# Altium PCB HSADDAModule.PcbDoc (part 1 of 5) (continued)
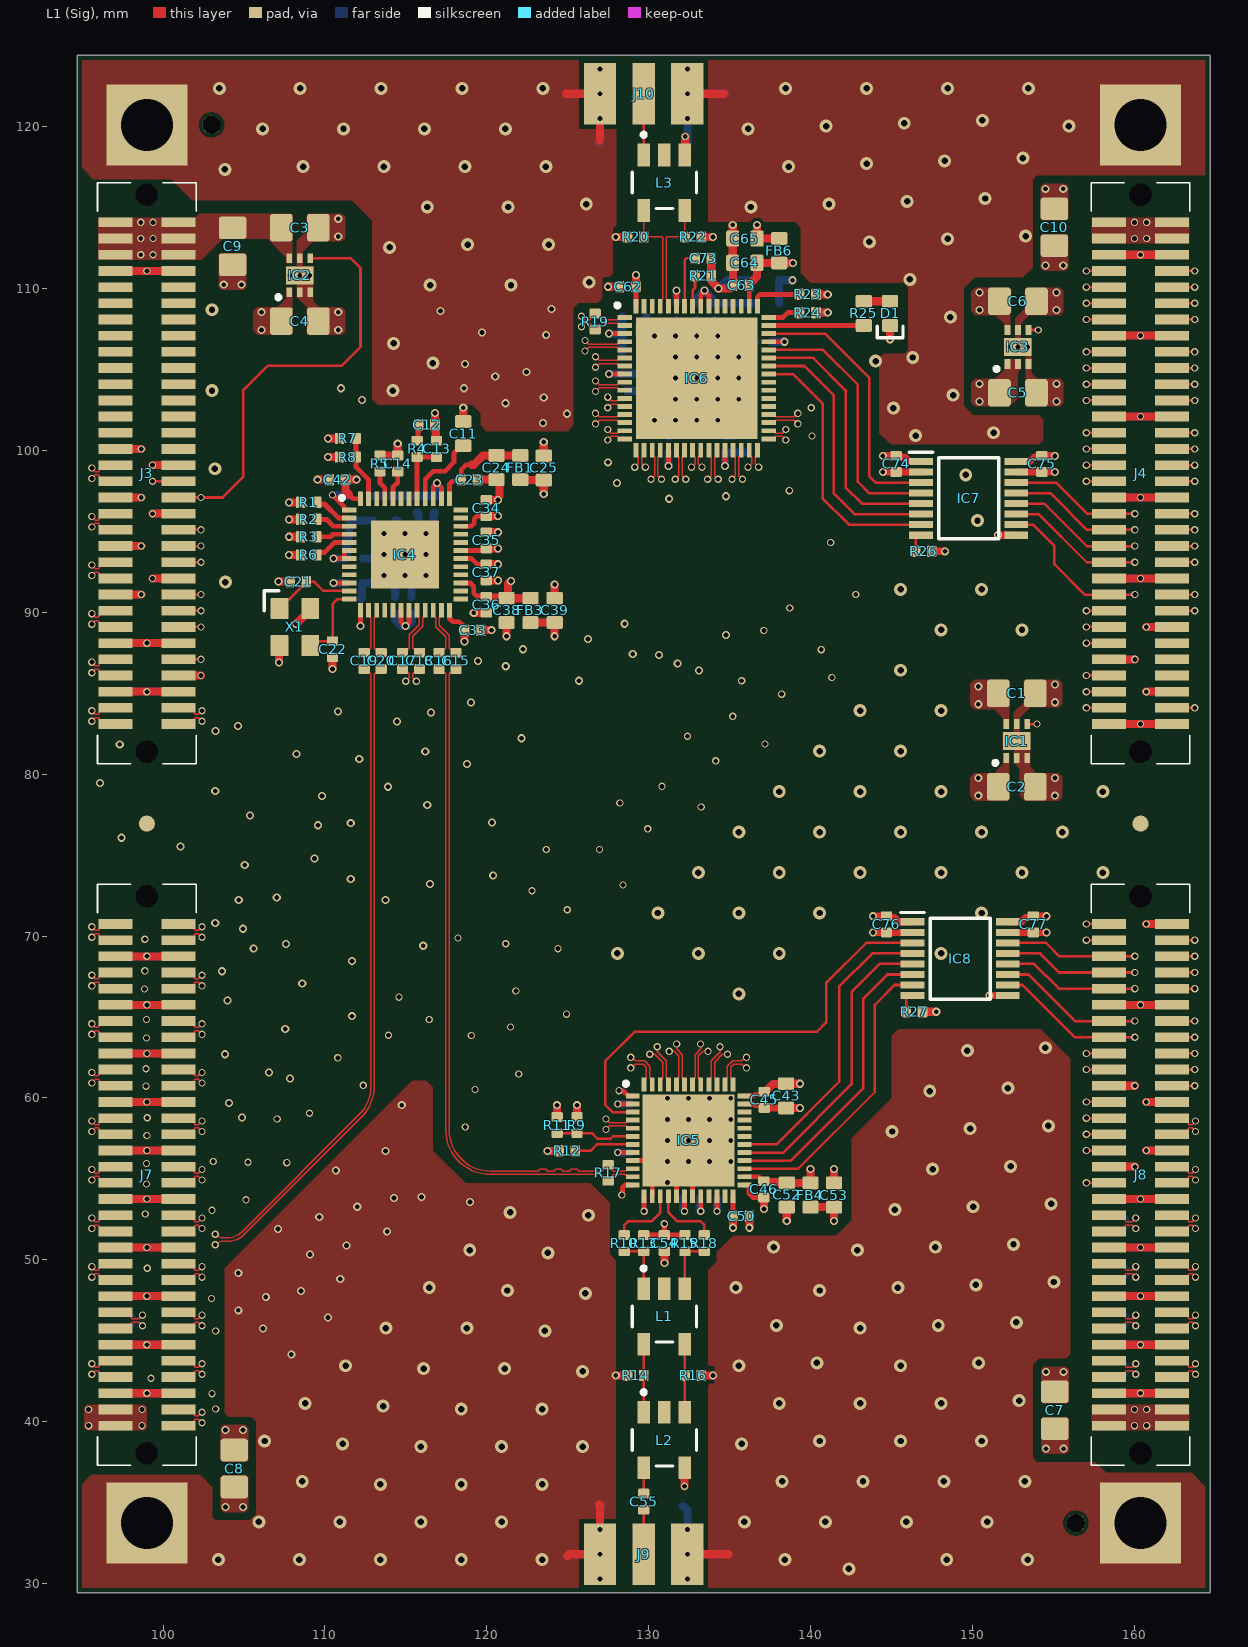
[diagram p0: L1 (Sig) view]
## Classes and differential pairs (continued)
differential pair HS_ADC_CLK: +HS_ADC_CLK_P -HS_ADC_CLK_N
differential pair HS_ADC_CLK_C: +HS_DAC_CLK_C_P -HS_DAC_CLK_C_N

## Components (designator, comment, footprint, x,y, rotation, side; value= is the part's Value field where it differs from the comment)
C1 "47u" CAP_0805 152.75,85 r180 top
C2 "47u" CAP_0805 152.75,79.225 r180 top
C3 "47u" CAP_0805 108.45,113.775 r180 top
C4 "47u" CAP_0805 108.45,108 r180 top
C5 "47u" CAP_0805 152.825,103.575 r180 top
C6 "47u" CAP_0805 152.825,109.225 r180 top
C7 "47u" CAP_0805 155.1,40.7 r270 top
C8 "47u" CAP_0805 104.4,37.1 r90 top
C9 "47u" CAP_0805 104.3,112.625 r90 top
C10 "47u" CAP_0805 155.075,113.8 r90 top
C11 "10u" CAP_0603 118.55,101.05 r90 top
C12 "22n" CAP_0402 116.3,101.6 r180 top
C13 "100p" CAP_0402 116.9,100.1 r270 top
C14 "100n" CAP_0402 114.5,99.2 r270 top
C15 "100n" CAP_0402 118.1,87 r90 top
C16 "100n" CAP_0402 117.05,87 r90 top
C17 "100n" CAP_0402 114.8,87 r90 top
C18 "100n" CAP_0402 115.85,87 r90 top
C19 "100n" CAP_0402 112.425,87 r90 top
C20 "100n" CAP_0402 113.475,87 r90 top
C21 "10p" CAP_0402 108.35,91.9 r180 top
C22 "10p" CAP_0402 110.475,87.725 r270 top
C23 "100n" CAP_0402 118.925,98.2 r0 top
C24 "10u" CAP_0603 120.6,98.95 r90 top
C25 "10u" CAP_0603 123.525,98.925 r270 top
C26 "100n" CAP_0402 115.675,96.675 r270 bottom
C27 "100n" CAP_0402 116.8,96.675 r270 bottom
C28 "10u" CAP_0603 114.35,96.425 r90 bottom
C29 "10u" CAP_0603 111.5,96.425 r270 bottom
C30 "100n" CAP_0402 112.2,90.325 r90 bottom
C31 "100n" CAP_0402 114.3,90.45 r90 bottom
C32 "100n" CAP_0402 115.4,90.45 r90 bottom
C33 "100n" CAP_0402 119.125,88.9 r0 top
C34 "100n" CAP_0402 119.975,96.45 r90 top
C35 "100n" CAP_0402 119.975,94.45 r90 top
C36 "100n" CAP_0402 119.975,90.475 r270 top
C37 "100n" CAP_0402 119.975,92.475 r270 top
C38 "10u" CAP_0603 121.225,90.125 r90 top
C39 "10u" CAP_0603 124.2,90.125 r270 top
C40 "100n" CAP_0402 111.85,91.825 r0 bottom
C41 "100n" CAP_0402 111.85,93.325 r0 bottom
C42 "100n" CAP_0402 110.775,98.2 r180 top
C43 "10u" CAP_0603 138.5,60.125 r270 top
C44 "100n" CAP_0402 129.4,59.625 r0 bottom
C45 "100n" CAP_0402 137.15,59.875 r90 top
C46 "100n" CAP_0402 137.125,54.35 r270 top
C47 "100n" CAP_0402 133.15,54.3 r90 bottom
C48 "100n" CAP_0402 132.125,54.3 r90 bottom
C49 "100n" CAP_0402 134.225,54.3 r90 bottom
C50 "100n" CAP_0402 135.725,52.7 r0 top
C51 "100n" CAP_0402 129.4,56.625 r0 bottom
C52 "10u" CAP_0603 138.541,54.003 r90 top
C53 "10u" CAP_0603 141.458,53.997 r270 top
C54 "100n" CAP_0402 130.975,51.025 r270 top
C55 "100n" CAP_0402 129.7,35.05 r270 top
C56 "10u" CAP_0603 137.3,110.525 r0 bottom
C57 "10u" CAP_0603 135.2,108.325 r90 bottom
C58 "100n" CAP_0402 132.925,108.575 r270 bottom
C59 "100n" CAP_0402 131.725,108.575 r270 bottom
C60 "100n" CAP_0402 134.025,108.575 r270 bottom
C61 "100n" CAP_0402 137.075,106.725 r180 bottom
C62 "100n" CAP_0402 128.725,110.125 r180 top
C63 "100n" CAP_0402 135.725,110.225 r180 top
C64 "10u" CAP_0603 135.95,111.6 r0 top
C65 "10u" CAP_0603 135.95,113.1 r0 top
C66 "100n" CAP_0402 131.225,100.375 r90 bottom
C67 "100n" CAP_0402 134.725,100.375 r90 bottom
C68 "10u" CAP_0603 135.95,100.625 r270 bottom
C69 "100n" CAP_0402 128.875,107.213 r0 bottom
C70 "10u" CAP_0603 129.125,108.4 r180 bottom
C71 "10u" CAP_0603 129.875,103.975 r90 bottom
C72 "100n" CAP_0402 128.625,104.225 r270 bottom
C73 "100n" CAP_0402 133.375,111.875 r0 top
C74 "100n" CAP_0402 145.3,99.175 r270 top
C75 "100n" CAP_0402 154.3,99.175 r90 top
C76 "100n" CAP_0402 144.7,70.725 r270 top
C77 "100n" CAP_0402 153.775,70.725 r90 top
D1 "BLUE" LED_0603_BLUE 144.925,108.475 r90 top
FB1 "120R @ 100 MHz" FB_0603 122.075,98.95 r270 top
FB2 "120R @ 100 MHz" FB_0603 112.975,96.425 r270 bottom
FB3 "120R @ 100 MHz" FB_0603 122.7,90.125 r270 top
FB4 "120R @ 100 MHz" FB_0603 140,54 r270 top
FB5 "120R @ 100 MHz" FB_0603 137.3,109.075 r0 bottom
FB6 "120R @ 100 MHz" FB_0603 138.075,112.35 r90 top
FB7 "120R @ 100 MHz" FB_0603 129.125,106 r0 bottom
IC1 "TLV75718PDRVR" SON65P200X200X80-7N 152.75,82.05 r90 top
IC2 "TLV75718PDRVR" SON65P200X200X80-7N 108.45,110.825 r90 top
IC3 "TLV76733DRVR" SON65P200X200X80-7N 152.825,106.4 r90 top
IC4 "CDCM6208V1RGZR" "QFN50P700X700X100-49N-D - duplicate" 114.95,93.575 r0 top
IC5 "ADS4129IRGZT" QFN50P700X700X100-49N-D 132.475,57.375 r0 top
IC6 "DAC3161IRGCT" QFN50P900X900X100-65N-D 132.975,104.475 r0 top
IC7 "TXB0106PWR" SOP65P640X120-16N 149.784,97.05 r0 top
IC8 "TXB0106PWR" SOP65P640X120-16N 149.259,68.602 r0 top
J1 "71436-2164" 714362164 99,98.6 r270 bottom
J2 "71436-2164" 714362164 160.4,98.6 r270 bottom
J3 "71439-0164" 714390164 99,98.6 r90 top
J4 "71439-0164" 714390164 160.4,98.6 r90 top
J5 "71436-2164" 714362164 99,55.25 r270 bottom locked
J6 "71436-2164" 714362164 160.4,55.25 r270 bottom
J7 "71439-0164" 714390164 99,55.25 r90 top locked
J8 "71439-0164" 714390164 160.4,55.25 r90 top
J9 "BWSMA-KE-P001" BWSMA-KE-P001 129.325,28.35 r180 top
J10 "BWSMA-KE-P001" BWSMA-KE-P001 130.075,125.5 r0 top
L1 "MABA-007159-000000" FP-MABA-007159-000000-MFG 130.975,46.5 r270 top
L2 "MABA-007159-000000" FP-MABA-007159-000000-MFG 130.975,38.85 r270 top
L3 "MABA-007159-000000" FP-MABA-007159-000000-MFG 130.975,116.55 r270 top
R1 "10k" RES_0402 109,96.8 r180 top
R2 "10k" RES_0402 109,95.75 r180 top
R3 "10k" RES_0402 109,94.675 r180 top
R4 "500R" RES_0402 115.7,100.1 r270 top
R5 "10k" RES_0402 113.4,99.2 r270 top
R6 "10k" RES_0402 109,93.55 r0 top
R7 "10k" RES_0402 111.425,100.75 r180 top
R8 "DNP" RES_0402 111.425,99.6 r0 top
R9 "10k" RES_0402 125.575,58.325 r90 top
R10 "5R" RES_0402 128.5,51.025 r90 top
R11 "DNP" RES_0402 124.35,58.325 r270 top
R12 "DNP" RES_0402 124.975,56.725 r0 top
R13 "49R9" RES_0402 129.7,51.025 r90 top
R14 "49R9" RES_0402 129.2,42.85 r180 top
R15 "49R9" RES_0402 132.25,51.025 r270 top
R16 "49R9" RES_0402 132.75,42.85 r180 top
R17 "100R" RES_0402 127.5,55.375 r90 top
R18 "5R" RES_0402 133.45,51.025 r90 top
R19 "100R" RES_0402 126.7,107.975 r90 top
R20 "49R9" RES_0402 129.2,113.2 r180 top
R21 "960R" RES_0402 133.37,110.811 r180 top
R22 "49R9" RES_0402 132.75,113.2 r180 top
R23 "10k" RES_0402 139.85,109.65 r180 top
R24 "10k" RES_0402 139.85,108.525 r180 top
R25 "510" RES_0603 143.3,108.475 r90 top
R26 "10k" RES_0402 147,93.775 r180 top
R27 "10k" RES_0402 146.425,65.325 r180 top
X1 "25M" XTAL_3225 108.15,89.1 r270 top

## Footprints (in the part's own frame and the unit in brackets; to place one, negate y for a bottom-side part, rotate by r counter-clockwise, add the part's x,y. Pads: shape width x height; smd on the part's side, far side on the other; paste and mask are expansions set on the pad)
714362164 [mm]
  rect 0.6x2.3 smd mask+0.03: 1(-15.5,-1.85) 2(-15.5,1.85) 3(-14.5,-1.85) 4(-14.5,1.85) 5(-13.5,-1.85) 6(-13.5,1.85) 7(-12.5,-1.85) 8(-12.5,1.85) 9(-11.5,-1.85) 10(-11.5,1.85) 11(-10.5,-1.85) 12(-10.5,1.85) 13(-9.5,-1.85) 14(-9.5,1.85) 15(-8.5,-1.85) 16(-8.5,1.85) 17(-7.5,-1.85) 18(-7.5,1.85) 19(-6.5,-1.85) 20(-6.5,1.85) 21(-5.5,-1.85) 22(-5.5,1.85) 23(-4.5,-1.85) 24(-4.5,1.85) 25(-3.5,-1.85) 26(-3.5,1.85) 27(-2.5,-1.85) 28(-2.5,1.85) 29(-1.5,-1.85) 30(-1.5,1.85) 31(-0.5,-1.85) 32(-0.5,1.85) 33(0.5,-1.85) 34(0.5,1.85) 35(1.5,-1.85) 36(1.5,1.85) 37(2.5,-1.85) 38(2.5,1.85) 39(3.5,-1.85) 40(3.5,1.85) 41(4.5,-1.85) 42(4.5,1.85) 43(5.5,-1.85) 44(5.5,1.85) 45(6.5,-1.85) 46(6.5,1.85) 47(7.5,-1.85) 48(7.5,1.85) 49(8.5,-1.85) 50(8.5,1.85) 51(9.5,-1.85) 52(9.5,1.85) 53(10.5,-1.85) 54(10.5,1.85) 55(11.5,-1.85) 56(11.5,1.85) 57(12.5,-1.85) 58(12.5,1.85) 59(13.5,-1.85) 60(13.5,1.85) 61(14.5,-1.85) 62(14.5,1.85) 63(15.5,-1.85) 64(15.5,1.85)
  round 0.7 hole 1.4 unplated: MH1(-17.2,0) MH2(17.2,0)
  silkscreen extent -17.95,-3.3 17.95,3.3, body extent -17.95,-3.05 17.95,3.05, height 8.27
714390164 [mm]
  rect 0.6x2.1 smd mask+0.03: 1(15.5,-1.95) 2(15.5,1.95) 3(14.5,-1.95) 4(14.5,1.95) 5(13.5,-1.95) 6(13.5,1.95) 7(12.5,-1.95) 8(12.5,1.95) 9(11.5,-1.95) 10(11.5,1.95) 11(10.5,-1.95) 12(10.5,1.95) 13(9.5,-1.95) 14(9.5,1.95) 15(8.5,-1.95) 16(8.5,1.95) 17(7.5,-1.95) 18(7.5,1.95) 19(6.5,-1.95) 20(6.5,1.95) 21(5.5,-1.95) 22(5.5,1.95) 23(4.5,-1.95) 24(4.5,1.95) 25(3.5,-1.95) 26(3.5,1.95) 27(2.5,-1.95) 28(2.5,1.95) 29(1.5,-1.95) 30(1.5,1.95) 31(0.5,-1.95) 32(0.5,1.95) 33(-0.5,-1.95) 34(-0.5,1.95) 35(-1.5,-1.95) 36(-1.5,1.95) 37(-2.5,-1.95) 38(-2.5,1.95) 39(-3.5,-1.95) 40(-3.5,1.95) 41(-4.5,-1.95) 42(-4.5,1.95) 43(-5.5,-1.95) 44(-5.5,1.95) 45(-6.5,-1.95) 46(-6.5,1.95) 47(-7.5,-1.95) 48(-7.5,1.95) 49(-8.5,-1.95) 50(-8.5,1.95) 51(-9.5,-1.95) 52(-9.5,1.95) 53(-10.5,-1.95) 54(-10.5,1.95) 55(-11.5,-1.95) 56(-11.5,1.95) 57(-12.5,-1.95) 58(-12.5,1.95) 59(-13.5,-1.95) 60(-13.5,1.95) 61(-14.5,-1.95) 62(-14.5,1.95) 63(-15.5,-1.95) 64(-15.5,1.95)
  silkscreen extent -17.95,-3.05 17.95,3.05, body extent -17.95,-3.05 17.95,3.05, height 5.31
BWSMA-KE-P001 [mm]
  rect 1.4x3.8 smd mask+0.03: 1(-0.375,-3.45)
  rect 2x3.8 smd mask+0.03: 2(-3.075,-3.45) 2(2.325,-3.45)
  rect 2x3.8 smd far side mask+0.03: 2(-3.075,-3.45) 2(2.325,-3.45)
  body extent -3.63,-5.02 2.88,8.47, height 3.65
CAP_0402 [mm]
  rrect25% 0.6x0.7 smd: 1(-0.5,0) 2(0.5,0)
  body extent -0.5,-0.26 0.5,0.26, height 0.37
CAP_0603 [mm]
  rrect25% 0.8x1 smd: 1(-0.75,0) 2(0.75,0)
  body extent -0.8,-0.4 0.8,0.4, height 0.51
CAP_0805 [mm]
  rrect25% 1.4x1.7 smd: 1(-1.143,0) 2(1.143,0)
  body extent -1.15,-0.76 1.15,0.79, height 1.01
FB_0603 [mm]
  rrect25% 0.8x1 smd: 1(-0.75,0) 2(0.75,0)
  body extent -0.8,-0.4 0.8,0.4, height 0.81
FP-MABA-007159-000000-MFG [mil]
  rect 55x30 smd paste+0 mask+0: 1(-67.5,-50) 2(-67.5,0) 3(-67.5,50) 4(67.5,50) 5(67.5,-50)
  silkscreen extent -122,-78 63,78, body extent -99,-82 99,82, height 10
LED_0603_BLUE [mm]
  rrect25% 0.8x1 smd: A(0.75,0) K(-0.75,0)
  silkscreen extent -1.5,-0.8 -0.8,0.8, body extent -0.8,-0.4 0.8,0.4, height 0.6
QFN50P700X700X100-49N-D [mm]
  rect 0.85x0.3 smd mask+0: 1(-3.45,2.75) 12(-3.45,-2.75) 25(3.45,-2.75) 36(3.45,2.75)
  rect 0.85x0.3 smd mask+0.03: 2(-3.45,2.25) 3(-3.45,1.75) 4(-3.45,1.25) 5(-3.45,0.75) 6(-3.45,0.25) 7(-3.45,-0.25) 8(-3.45,-0.75) 9(-3.45,-1.25) 10(-3.45,-1.75) 11(-3.45,-2.25) 26(3.45,-2.25) 27(3.45,-1.75) 28(3.45,-1.25) 29(3.45,-0.75) 30(3.45,-0.25) 31(3.45,0.25) 32(3.45,0.75) 33(3.45,1.25) 34(3.45,1.75) 35(3.45,2.25)
  rect 0.3x0.85 smd mask+0: 13(-2.75,-3.45) 24(2.75,-3.45) 37(2.75,3.45) 48(-2.75,3.45)
  rect 0.3x0.85 smd mask+0.03: 14(-2.25,-3.45) 15(-1.75,-3.45) 16(-1.25,-3.45) 17(-0.75,-3.45) 18(-0.25,-3.45) 19(0.25,-3.45) 20(0.75,-3.45) 21(1.25,-3.45) 22(1.75,-3.45) 23(2.25,-3.45) 38(2.25,3.45) 39(1.75,3.45) 40(1.25,3.45) 41(0.75,3.45) 42(0.25,3.45) 43(-0.25,3.45) 44(-0.75,3.45) 45(-1.25,3.45) 46(-1.75,3.45) 47(-2.25,3.45)
  rect 5.7x5.7 smd mask+0.03: 49(0,0)
  silkscreen extent -4,3.38 -3.75,3.62, body extent -3.5,-3.5 3.5,3.5, height 1
"QFN50P700X700X100-49N-D - duplicate" [mm]
  rect 0.9x0.3 smd mask+0: 1(-3.45,2.75) 12(-3.45,-2.75) 25(3.45,-2.75) 36(3.45,2.75)
  rect 0.9x0.3 smd mask+0.03: 2(-3.45,2.25) 3(-3.45,1.75) 4(-3.45,1.25) 5(-3.45,0.75) 6(-3.45,0.25) 7(-3.45,-0.25) 8(-3.45,-0.75) 9(-3.45,-1.25) 10(-3.45,-1.75) 11(-3.45,-2.25) 26(3.45,-2.25) 27(3.45,-1.75) 28(3.45,-1.25) 29(3.45,-0.75) 30(3.45,-0.25) 31(3.45,0.25) 32(3.45,0.75) 33(3.45,1.25) 34(3.45,1.75) 35(3.45,2.25)
  rect 0.3x0.9 smd mask+0: 13(-2.75,-3.45) 24(2.75,-3.45) 37(2.75,3.45) 48(-2.75,3.45)
  rect 0.3x0.9 smd mask+0.03: 14(-2.25,-3.45) 15(-1.75,-3.45) 16(-1.25,-3.45) 17(-0.75,-3.45) 18(-0.25,-3.45) 19(0.25,-3.45) 20(0.75,-3.45) 21(1.25,-3.45) 22(1.75,-3.45) 23(2.25,-3.45) 38(2.25,3.45) 39(1.75,3.45) 40(1.25,3.45) 41(0.75,3.45) 42(0.25,3.45) 43(-0.25,3.45) 44(-0.75,3.45) 45(-1.25,3.45) 46(-1.75,3.45) 47(-2.25,3.45)
  rect 4.2x4.2 smd mask+0.03: 49(0,0)
  silkscreen extent -4.02,3.38 -3.77,3.62, body extent -3.5,-3.5 3.5,3.5, height 1
QFN50P900X900X100-65N-D [mm]
  rect 0.9x0.3 smd mask+0: 1(-4.45,3.75) 16(-4.45,-3.75) 33(4.45,-3.75) 48(4.45,3.75)
  rect 0.9x0.3 smd mask+0.03: 2(-4.45,3.25) 3(-4.45,2.75) 4(-4.45,2.25) 5(-4.45,1.75) 6(-4.45,1.25) 7(-4.45,0.75) 8(-4.45,0.25) 9(-4.45,-0.25) 10(-4.45,-0.75) 11(-4.45,-1.25) 12(-4.45,-1.75) 13(-4.45,-2.25) 14(-4.45,-2.75) 15(-4.45,-3.25) 34(4.45,-3.25) 35(4.45,-2.75) 36(4.45,-2.25) 37(4.45,-1.75) 38(4.45,-1.25) 39(4.45,-0.75) 40(4.45,-0.25) 41(4.45,0.25) 42(4.45,0.75) 43(4.45,1.25) 44(4.45,1.75) 45(4.45,2.25) 46(4.45,2.75) 47(4.45,3.25)
  rect 0.3x0.9 smd mask+0: 17(-3.75,-4.45) 32(3.75,-4.45) 49(3.75,4.45) 64(-3.75,4.45)
  rect 0.3x0.9 smd mask+0.03: 18(-3.25,-4.45) 19(-2.75,-4.45) 20(-2.25,-4.45) 21(-1.75,-4.45) 22(-1.25,-4.45) 23(-0.75,-4.45) 24(-0.25,-4.45) 25(0.25,-4.45) 26(0.75,-4.45) 27(1.25,-4.45) 28(1.75,-4.45) 29(2.25,-4.45) 30(2.75,-4.45) 31(3.25,-4.45) 50(3.25,4.45) 51(2.75,4.45) 52(2.25,4.45) 53(1.75,4.45) 54(1.25,4.45) 55(0.75,4.45) 56(0.25,4.45) 57(-0.25,4.45) 58(-0.75,4.45) 59(-1.25,4.45) 60(-1.75,4.45) 61(-2.25,4.45) 62(-2.75,4.45) 63(-3.25,4.45)
  rect 7.5x7.5 smd mask+0.03: 65(0,0)
  silkscreen extent -5.02,4.38 -4.77,4.62, body extent -4.5,-4.5 4.5,4.5, height 1
RES_0402 [mm]
  rrect25% 0.6x0.7 smd: 1(-0.5,0) 2(0.5,0)
  body extent -0.5,-0.25 0.5,0.25, height 0.3
RES_0603 [mm]
  rrect25% 0.8x1 smd: 1(-0.75,0) 2(0.75,0)
  body extent -0.8,-0.43 0.8,0.43, height 0.52
SON65P200X200X80-7N [mm]
  rect 0.6x0.35 smd mask+0.03: 1(-1.05,0.65) 2(-1.05,0) 3(-1.05,-0.65) 4(1.05,-0.65) 5(1.05,0) 6(1.05,0.65)
  rect 1.1x1.7 smd mask+0.03: 7(0,0)
  silkscreen extent -1.47,1.2 -1.23,1.45, body extent -1,-1 1,1, height 0.8
SOP65P640X120-16N [mm]
  rect 1.475x0.45 smd mask+0.03: 1(-2.938,2.275) 2(-2.938,1.625) 3(-2.938,0.975) 4(-2.938,0.325) 5(-2.938,-0.325) 6(-2.938,-0.975) 7(-2.938,-1.625) 8(-2.938,-2.275) 9(2.938,-2.275) 10(2.938,-1.625) 11(2.938,-0.975) 12(2.938,-0.325) 13(2.938,0.325) 14(2.938,0.975) 15(2.938,1.625) 16(2.938,2.275)
  silkscreen extent -3.67,-2.5 1.85,2.85, body extent -3.2,-2.5 3.2,2.5, height 1.13
XTAL_3225 [mm]
  rrect10% 1.3x1.1 smd: 1(-1.15,-0.95) 2(1.15,-0.95) 3(1.15,0.95) 4(-1.15,0.95)
  silkscreen extent -2.23,-1.89 -1,-1, body extent -1.6,-1.28 1.6,1.22, height 0.61

## Part data
C1 C2 C3 C4 C5 C6 C7 C8 C9 C10: library part CAP_0805, "Capacitor SMD 0805"
C11 C24 C25 C28 C29 C38 C39 C43 C52 C53 C56 C57 C64 C65 C68 C70 C71: library part CAP_0603, "Capacitor SMD 0603"
C12 C13 C14 C15 C16 C17 C18 C19 C20 C21 C22 C23 C26 C27 C30 C31 C32 C33 C34 C35 C36 C37 C40 C41 C42 C44 C45 C46 C47 C48 C49 C50 C51 C54 C55 C58 C59 C60 C61 C62 C63 C66 C67 C69 C72 C73 C74 C75 C76 C77: library part CAP_0402, "Capacitor SMD 0402"
D1: library part LED_0603_BLUE, "LED 0603 BLUE SMD"
FB1 FB2 FB3 FB4 FB5 FB6 FB7: library part FB_0603, "Ferrite Bead SMD 0603"
IC1 IC2: "Integrated Circuit", Manufacturer_Name="Texas Instruments", Mouser Part Number=595-TLV75718PDRVR, Arrow Part Number=TLV75718PDRVR, Arrow Price/Stock=https://www.arrow.com/en/products/tlv75718pdrvr/texas-instruments, Datasheet Link=http://www.ti.com/lit/gpn/tlv757p, Height=0.8mm, Manufacturer_Part_Number=TLV75718PDRVR, Mouser Price/Stock=https://www.mouser.co.uk/ProductDetail/Texas-Instruments/TLV75718PDRVR?qs=W0yvOO0ixfFI17Xta%2FsYdw%3D%3D
IC3: "Integrated Circuit", Manufacturer_Name="Texas Instruments", Mouser Part Number=595-TLV76733DRVR, Arrow Part Number=TLV76733DRVR, Arrow Price/Stock=https://www.arrow.com/en/products/tlv76733drvr/texas-instruments?region=nac, Datasheet Link=http://www.ti.com/lit/gpn/TLV767, Height=0.8mm, Manufacturer_Part_Number=TLV76733DRVR, Mouser Price/Stock=https://www.mouser.co.uk/ProductDetail/Texas-Instruments/TLV76733DRVR?qs=9r4v7xj2LnmGIkwTuPlHig%3D%3D
IC4: "Integrated Circuit", Manufacturer_Name="Texas Instruments", Mouser Part Number=595-CDCM6208V1RGZR, Arrow Part Number=CDCM6208V1RGZR, Arrow Price/Stock=https://www.arrow.com/en/products/cdcm6208v1rgzr/texas-instruments?region=nac, Datasheet Link=http://www.ti.com/lit/gpn/cdcm6208, Height=1mm, Manufacturer_Part_Number=CDCM6208V1RGZR, Mouser Price/Stock=https://www.mouser.co.uk/ProductDetail/Texas-Instruments/CDCM6208V1RGZR?qs=Zv8nmyeoaKuA7Z6bIfs9ug%3D%3D
IC5: "Integrated Circuit", Manufacturer_Name="Texas Instruments", Mouser Part Number=595-ADS4129IRGZT, Arrow Part Number=ADS4129IRGZT, Arrow Price/Stock=https://www.arrow.com/en/products/ads4129irgzt/texas-instruments?region=nac, Datasheet Link=http://www.ti.com/lit/gpn/ads4129, Height=1mm, Manufacturer_Part_Number=ADS4129IRGZT, Mouser Price/Stock=https://www.mouser.co.uk/ProductDetail/Texas-Instruments/ADS4129IRGZT?qs=%2Fqzd9s%252BcLd6SvRsOYifvuQ%3D%3D
IC6: "Integrated Circuit", Manufacturer_Name="Texas Instruments", Mouser Part Number=595-DAC3161IRGCT, Datasheet Link=http://www.ti.com/lit/gpn/dac3161, Height=1mm, Manufacturer_Part_Number=DAC3161IRGCT, Mouser Price/Stock=https://www.mouser.com/Search/Refine.aspx?Keyword=595-DAC3161IRGCT
IC7 IC8: "Integrated Circuit", Manufacturer_Name="Texas Instruments", Mouser Part Number=595-TXB0106PWR, Arrow Part Number=TXB0106PWR, Arrow Price/Stock=https://www.arrow.com/en/products/txb0106pwr/texas-instruments?utm_currency=USD&region=nac, Datasheet Link=http://www.ti.com/lit/ds/symlink/txb0106.pdf, Height=1.2mm, Manufacturer_Part_Number=TXB0106PWR, Mouser Price/Stock=https://www.mouser.co.uk/ProductDetail/Texas-Instruments/TXB0106PWR?qs=nRD1PKnFC2EFAtrwfAB%2F4Q%3D%3D
J1 J2 J5 J6: "Molex MEZZANINE Series, Series Number 71436, 1mm Pitch 64 Way 2 Row Straight PCB Header, Solder Termination, 1A", Manufacturer_Name=Molex, Mouser Part Number=538-71436-2164, Geometry.Height=8.48mm, Manufacturer_Part_Number=71436-2164, Mouser Price/Stock=https://www.mouser.co.uk/ProductDetail/Molex/71436-2164?qs=X1mjqRbeMc536fw4qEA%252B%252Bg%3D%3D
J3 J4 J7 J8: "Board to Board & Mezzanine Connectors PMC RECEPTACLE SMT", Manufacturer_Name=Molex, Mouser Part Number=538-71439-0164, Datasheet Link=https://componentsearchengine.com/Datasheets/1/71439-0164.pdf, Height=5.3mm, Manufacturer_Part_Number=71439-0164, Mouser Price/Stock=https://www.mouser.co.uk/ProductDetail/Molex/71439-0164?qs=X1mjqRbeMc7uGUsAO8ttVw%3D%3D
L1 L2 L3: "BALUN 4.5MHZ-3GHZ 1:1 6SMD FLAT", Case/Package=SMD/SMT, Max DC Current=30mA, Max Operating Temperature=85°C, Min Operating Temperature=-40°C, Package Quantity=2000, Power Rating=250mW, Depth=3.81mm, Height=2.67mm, Lead Free="Lead Free", Lead/Base Style="Gull Wing", Length=3.81mm, Mount="Surface Mount", Number of Pins=5, Packaging="Cut Tape", Radiation Hardening=No, RoHS Compliant=Yes, Series=-, Termination=SMD/SMT, Turns Ratio=1:1, Width=3.81mm
R1 R2 R3 R4 R5 R6 R7 R8 R9 R10 R11 R12 R13 R14 R15 R16 R17 R18 R19 R20 R21 R22 R23 R24 R26 R27: library part RES_0402, "Resistor SMD 0402"
R25: library part RES_0603, "Resistor SMD 0603"
X1: library part XTAL_3225, "Crystal SMD 3225"

## Free pads (board coordinates)
  rect 5x5 hole 3.2 mask+0.03: 12(99,120.125) 12(99,33.725) 12(160.4,120.125) 12(160.4,33.725)
  round 1 smd mask+0.75: FM(99,76.95) FM(160.4,76.95)
  round 1 smd far side mask+0.75: FM(99,76.95) FM(160.4,76.95)
  round 1.152 hole 1.152 unplated mask+0.03: TH(103,120.125) TH(156.4,33.725)

## Via types
v1: diameter 0.45, hole 0.3, L1 (Sig) to L6 (Sig), tented both sides, 395 vias
v2: diameter 0.5, hole 0.3, L1 (Sig) to L6 (Sig), tented both sides, 219 vias
v3: diameter 0.8, hole 0.4, L1 (Sig) to L6 (Sig), tented both sides, 178 vias

## Nets (pads, with @x,y where several pads share a name; then routed paths per layer and width w, separated by ;. In a path a pad name is that pad's centre, name@x,y a point inside that pad or via, vN(x,y) a via of type N, cw(c..) or ccw(c..) an arc to the next point about the centre after c; other vN are vias at no path point)
+1V8_ADC: C46.1 C47.1 C48.1 C49.1 C50.1 C51.1 C52.2 FB4.1 IC5.8 IC5.18 IC5.20 IC5.22 IC5.24 IC5.26 | length 14.1
  L1 (Sig) w0.3: v1(128.1,56.625) IC5.8@129.025,56.625 ; v1(132.225,53) IC5.18@132.225,53.925 ; v1(133.225,53) IC5.20@133.225,53.925 ; v1(134.225,53) IC5.22@134.225,53.925 ; C50.1@135.225,52.7 IC5.24@135.225,53.925 ; IC5.26@135.925,55.125 136.8,55.125 137.123,54.802 C46.1@137.173,54.802
  L1 (Sig) w0.5: v2(135.225,51.975) C50.1@135.225,52.7 ; C46.1@137.125,54.85 137.173,54.802 138.493,54.802 C52.2@138.541,54.753 138.543,54.752 FB4.1@139.998,54.752 ; v2(139.998,55.602) FB4.1@139.998,54.752 ; FB4.1@140,54.75 FB4.1@139.998,54.752
  L6 (Sig) w0.5: v1(128.1,56.625) C51.1@128.9,56.625 ; C48.1@132.125,53.8 132.125,53.1 v1(132.225,53) ; C47.1@133.15,53.8 133.15,53.075 v1(133.225,53) ; v1(134.225,53) C49.1@134.225,53.8
+1V8_ADDA: C2.2 C43.2 C44.1 C45.1 C53.2 C61.1 C65.2 C66.1 C67.1 C68.2 C71.2 C72.1 C74.2 C76.2 FB4.2 FB6.2 FB7.2 IC1.1 IC5.2 IC5.35 IC6.8 IC6.21 IC6.28 IC6.45 IC7.2 IC8.2 R9.2 R24.1 R26.1 R27.1 | length 29
  L1 (Sig) w0.3: v2(127.55,104.725) IC6.8@128.525,104.725 ; v1(128.1,59.625) IC5.2@129.025,59.625 ; v2(131.225,99.05) IC6.21@131.225,100.025 ; v2(134.725,99.05) IC6.28@134.725,100.025 ; IC5.35@135.925,59.625 136.475,59.625 136.575,59.525 137,59.525 C45.1@137.15,59.375 ; IC6.45@137.425,106.725 v2(138.4,106.725)
  L1 (Sig) w0.45: C45.1@137.15,59.375 C43.2@138.5,59.375 ; v2(143.875,70.225) C76.2@144.7,70.225 C76.2@144.7,70.225 IC8.2@146.321,70.227 ; v2(144.475,98.675) C74.2@145.3,98.675 146.333,98.675 IC7.2@146.846,98.675 ; R26.1@147.5,93.775 v2(148.325,93.775)
  L1 (Sig) w0.5: R9.2@125.575,58.825 v2(125.575,59.55) ; v2(136.7,113.95) C65.2@136.7,113.1 FB6.2@138.075,113.1 ; C43.2@138.5,59.375 v2(139.35,59.375) ; FB4.2@140,53.25 140.002,53.248 141.457,53.248 C53.2@141.458,53.247 v2(141.458,52.397) ; R24.1@140.35,108.525 v2(141.075,108.525) ; R27.1@146.925,65.325 v2(147.775,65.325)
  L6 (Sig) w0.5: v2(127.55,104.725) C72.1@128.625,104.725 C71.2@129.875,104.725 FB7.2@129.875,106.1 ; v1(128.1,59.625) C44.1@128.9,59.625 ; v2(131.225,99.05) C66.1@131.225,99.875 ; v2(134.725,99.05) C67.1@134.725,99.875 C68.2@135.95,99.875 ; C61.1@137.575,106.725 v2(138.4,106.725)
  other v2: 150.375,78.675 150.375,79.775
+1V8_DAC: C62.1 C63.1 C64.2 FB6.1 IC6.50 IC6.64 | length 7
  L1 (Sig) w0.3: IC6.64@129.225,108.925 C62.1@129.225,110.125 ; IC6.50@136.225,108.925 C63.1@136.225,110.225
  L1 (Sig) w0.5: C62.1@129.225,110.125 v2(129.225,110.85) ; C63.1@136.225,110.225 136.225,110.275 136.7,110.75 C64.2@136.7,111.6 FB6.1@138.075,111.6 v2(138.925,111.6)
+1V8_DAC_CLK: C69.1 C70.2 FB7.1 IC6.3 | length 4
  L1 (Sig) w0.3: v2(127.55,107.225) IC6.3@128.525,107.225
  L6 (Sig) w0.5: v2@127.562,107.213 C69.1@128.375,107.213 ; FB7.1@128.375,106.1 C69.1@128.375,107.213 ; C70.2@128.375,108.275 C69.1@128.375,107.213
+1V8_PLL1: C23.1 C24.2 FB1.1 IC4.37 | length 6.4
  L1 (Sig) w0.3: IC4.37@117.7,97.025 117.7,97.931 117.876,98.107 118.332,98.107 C23.1@118.425,98.2 118.425,98.825 118.725,99.125 119.05,99.125
  L1 (Sig) w0.5: 119.05,99.125 119.2,99.125 119.775,99.7 C24.2@120.6,99.7 FB1.1@122.075,99.7
+1V8_PLL2: C26.1 C27.1 C28.2 FB2.1 IC4.38 IC4.39 | length 6.9
  L1 (Sig) w0.3: IC4.39@116.7,97.025 116.7,97.775 v2(116.925,98) 117.2,97.725 IC4.38@117.2,97.025
  L6 (Sig) w0.5: FB2.1@112.975,97.175 C28.2@114.35,97.175 C26.1@115.675,97.175 C27.1@116.8,97.175 ; C27.1@116.8,97.175 116.85,97.175 116.9,97.225 116.9,97.975 v2(116.925,98)
+1V8_PLL_CLK: C4.2 C25.2 C29.2 C39.2 C40.1 C41.1 C42.1 FB1.2 FB2.2 FB3.2 IC2.1 IC4.6 IC4.7 IC4.10 IC4.48 R1.2 R2.2 R3.2 R7.2 | length 18.2
  L1 (Sig) w0.3: v2(110.525,91.825) IC4.10@111.5,91.825 ; v2(110.525,93.325) IC4.7@111.5,93.325 ; 111.2,93.5 111.2,93.825 IC4.6@111.5,93.825 ; 111.5,97.275 111.75,97.025 IC4.48@112.2,97.025
  L1 (Sig) w0.5: v2(107.775,94.675) R3.2@108.5,94.675 ; v2(107.775,95.75) R2.2@108.5,95.75 ; v2(107.775,96.8) R1.2@108.5,96.8 ; v2(110.2,100.75) R7.2@110.925,100.75 ; C42.1@111.275,98.2 C42.1@111.275,98.15 ; 111.5,97.275 111.275,97.5 C42.1@111.275,98.15 ; v2(111.95,98.2) 111.325,98.2 C42.1@111.275,98.15 ; FB1.2@122.075,98.2 122.087,98.187 123.513,98.187 C25.2@123.525,98.175 v2(123.525,97.325) ; FB3.2@122.7,89.375 C39.2@124.2,89.375 v2(124.2,88.525)
  L6 (Sig) w0.5: v2(110.525,91.825) C40.1@111.35,91.825 ; v2(110.525,93.325) C41.1@111.35,93.325 111.35,94.525 111.5,94.675 C29.2@111.5,95.675 FB2.2@112.975,95.675
  other v2: 106.075,107.45 106.075,108.55
+1V8_PLL_VDD: C30.1 C31.1 C32.1 C33.1 C34.1 C35.1 C36.1 C37.1 C38.2 FB3.1 IC4.13 IC4.18 IC4.19 IC4.24 IC4.27 IC4.30 IC4.31 IC4.34 | length 22.2
  L1 (Sig) w0.3: v2(112.2,89.15) IC4.13@112.2,90.125 ; IC4.18@114.7,90.125 114.7,89.425 v2(114.975,89.15) 115.2,89.375 IC4.19@115.2,90.125 ; IC4.24@117.7,90.125 117.7,89.625 117.9,89.425 118.299,89.425 118.475,89.249 118.475,89.05 C33.1@118.625,88.9 ; IC4.27@118.4,91.825 118.975,91.825 119.2,91.6 119.2,91.194 119.376,91.018 119.932,91.018 C36.1@119.975,90.975 ; IC4.30@118.4,93.325 119.075,93.325 119.174,93.226 119.425,92.975 C37.1@119.975,92.975 ; IC4.31@118.4,93.825 119.925,93.825 C35.1@119.975,93.875 ; IC4.34@118.4,95.325 119.049,95.325 119.225,95.501 119.225,95.774 119.401,95.95 C34.1@119.975,95.95
  L1 (Sig) w0.5: v2(118.625,88.2) C33.1@118.625,88.9 ; C36.1@119.975,90.975 120.025,90.925 121.175,90.925 C38.2@121.225,90.875 ; C37.1@119.975,92.975 v2(120.7,92.975) ; C35.1@119.975,93.95 v2(120.7,93.95) ; C34.1@119.975,95.95 v2(120.7,95.95) ; v2(121.5,91.95) 121.325,91.775 121.325,90.975 C38.2@121.225,90.875 ; FB3.1@122.7,90.875 121.475,90.875 C38.2@121.225,90.875
  L6 (Sig) w0.3: v2(112.2,89.15) C30.1@112.2,89.875
  L6 (Sig) w0.5: C31.1@114.35,89.95 114.35,89.525 114.725,89.15 v2(114.975,89.15) 115.082,89.15 115.375,89.443 115.375,89.925 C32.1@115.35,89.95
+3V3: C5.2 C56.2 C75.1 C77.1 FB5.2 IC3.1 IC3.2 IC7.15 IC8.15 | length 7.1
  L1 (Sig) w0.45: IC8.15@152.197,70.227 152.709,70.227 152.711,70.225 C77.1@153.775,70.225 v2(154.6,70.225) ; IC7.15@152.722,98.675 C75.1@154.3,98.675 v2(155.125,98.675)
  L6 (Sig) w0.5: FB5.2@138.05,109.075 C56.2@138.05,110.525 v2(138.9,110.525)
  other v2: 150.45,103.025 150.45,104.125
+3V3_DAC: C57.2 C58.1 C59.1 C60.1 FB5.1 IC6.55 IC6.56 IC6.59 | length 8.6
  L1 (Sig) w0.3: IC6.59@131.725,108.925 v2(131.725,109.9) ; IC6.56@133.225,108.925 133.225,109.621 v2@133.45,109.846 ; v2(133.45,109.9) v2@133.45,109.846 ; IC6.55@133.725,108.925 133.725,109.571 v2@133.45,109.846
  L6 (Sig) w0.5: C59.1@131.725,109.075 v2(131.725,109.9) ; C58.1@132.925,109.075 132.975,109.075 133.025,109.125 133.025,109.475 v2(133.45,109.9) 133.925,109.425 133.925,109.125 133.975,109.075 C60.1@134.025,109.075 C57.2@135.2,109.075 FB5.1@136.55,109.075
+5V0: C1.2 C3.2 C6.2 C7.2 C8.2 C9.2 C10.2 IC1.6 IC2.6 IC3.6 J1.1 J1.2 J1.3 J1.4 J1.5 J1.6 J2.1 J2.2 J2.3 J2.4 J3.1 J3.2 J3.3 J3.4 J3.5 J3.6 J4.1 J4.2 J4.3 J4.4 J5.62 J5.64 J6.61 J6.62 J6.63 J6.64 J7.62 J7.64 J8.61 J8.62 J8.63 J8.64
  other v1: 95.4,39.75 98.7,39.75 160.025,39.75 160.775,39.75 95.4,40.75 98.7,40.75 160.025,40.75 160.775,40.75 98.625,112.1 99.375,112.1 98.625,113.1 99.375,113.1 160.025,113.1 160.775,113.1 98.625,114.1 99.375,114.1 160.025,114.1 160.775,114.1
  other v2: 154.55,38.325 155.65,38.325 103.85,39.475 104.95,39.475 150.375,84.325 150.375,85.425 150.45,108.675 150.45,109.775 154.525,116.175 155.625,116.175
B12_IO1N: J6.30 J8.30 | length 2.9
  L1 (Sig) w0.157: v1(157.05,56.75) J8.30@158.45,56.75
  L6 (Sig) w0.157: v1(157.05,56.75) J6.30@158.55,56.75
B12_IO1P: J6.7 J8.7 | length 2.9
  L1 (Sig) w0.157: J8.7@162.35,67.75 v1(163.75,67.75)
  L6 (Sig) w0.157: J6.7@162.25,67.75 v1(163.75,67.75)
B12_IO2N: J2.47 J4.47 | length 2.9
  L1 (Sig) w0.157: J4.47@162.35,91.1 v1(163.75,91.1)
  L6 (Sig) w0.157: J2.47@162.25,91.1 v1(163.75,91.1)
B12_IO2P: J2.43 J4.43 | length 2.9
  L1 (Sig) w0.157: J4.43@162.35,93.1 v1(163.75,93.1)
  L6 (Sig) w0.157: J2.43@162.25,93.1 v1(163.75,93.1)
B12_IO3N: J6.21 J8.21 | length 2.9
  L1 (Sig) w0.157: J8.21@162.35,60.75 v1(163.75,60.75)
  L6 (Sig) w0.157: J6.21@162.25,60.75 v1(163.75,60.75)
B12_IO3P: J6.34 J8.34 | length 2.9
  L1 (Sig) w0.157: v1(157.05,54.75) J8.34@158.45,54.75
  L6 (Sig) w0.157: v1(157.05,54.75) J6.34@158.55,54.75
B12_IO4P: J2.49 J4.49 | length 2.9
  L1 (Sig) w0.157: J4.49@162.35,90.1 v1(163.75,90.1)
  L6 (Sig) w0.157: J2.49@162.25,90.1 v1(163.75,90.1)
B12_IO5N: IC8.12 J6.10 J8.10 | length 10
  L1 (Sig) w0.157: IC8.12@152.197,68.277 153.823,68.277 155.35,66.75 J8.10@158.45,66.75 v1(160.05,66.75)
  L6 (Sig) w0.157: J6.10@158.55,66.75 v1(160.05,66.75)
B12_IO6N: J6.28 J8.28 | length 2.9
  L1 (Sig) w0.157: v1(157.05,57.75) J8.28@158.45,57.75
  L6 (Sig) w0.157: v1(157.05,57.75) J6.28@158.55,57.75
B12_IO6P: J2.41 J4.41 | length 2.9
  L1 (Sig) w0.157: J4.41@162.35,94.1 v1(163.75,94.1)
  L6 (Sig) w0.157: J2.41@162.25,94.1 v1(163.75,94.1)
B12_IO7P: J6.19 J8.19 | length 2.9
  L1 (Sig) w0.157: J8.19@162.35,61.75 v1(163.75,61.75)
  L6 (Sig) w0.157: J6.19@162.25,61.75 v1(163.75,61.75)
B12_IO8N: J6.18 J8.18 | length 2.9
  L1 (Sig) w0.157: v1(157.05,62.75) J8.18@158.45,62.75
  L6 (Sig) w0.157: v1(157.05,62.75) J6.18@158.55,62.75
B12_IO8P: J6.20 J8.20 | length 2.9
  L1 (Sig) w0.157: v1(157.05,61.75) J8.20@158.45,61.75
  L6 (Sig) w0.157: v1(157.05,61.75) J6.20@158.55,61.75
B12_IO9N: J6.26 J8.26 | length 2.9
  L1 (Sig) w0.157: v1(157.05,58.75) J8.26@158.45,58.75
  L6 (Sig) w0.157: v1(157.05,58.75) J6.26@158.55,58.75
B12_IO9P: J6.24 J8.24 | length 2.9
  L1 (Sig) w0.157: v1(157.05,59.75) J8.24@158.45,59.75
  L6 (Sig) w0.157: v1(157.05,59.75) J6.24@158.55,59.75
B12_IO10N: IC8.11 J6.14 J8.14 | length 10.5
  L1 (Sig) w0.157: IC8.11@152.197,67.627 153.473,67.627 156.35,64.75 J8.14@158.45,64.75 v1(160.05,64.75)
  L6 (Sig) w0.157: J6.14@158.55,64.75 v1(160.05,64.75)
B12_IO10P: IC8.10 J6.16 J8.16 | length 10.7
  L1 (Sig) w0.157: IC8.10@152.197,66.977 153.098,66.977 156.325,63.75 J8.16@158.45,63.75 v1(160.05,63.75)
  L6 (Sig) w0.157: J6.16@158.55,63.75 v1(160.05,63.75)
B12_IO11N: J6.17 J8.17 | length 2.9
  L1 (Sig) w0.157: J8.17@162.35,62.75 v1(163.75,62.75)
  L6 (Sig) w0.157: J6.17@162.25,62.75 v1(163.75,62.75)
B12_IO11P: J6.15 J8.15 | length 2.9
  L1 (Sig) w0.157: J8.15@162.35,63.75 v1(163.75,63.75)
  L6 (Sig) w0.157: J6.15@162.25,63.75 v1(163.75,63.75)
B12_IO12N: J6.13 J8.13 | length 2.9
  L1 (Sig) w0.157: J8.13@162.35,64.75 v1(163.75,64.75)
  L6 (Sig) w0.157: J6.13@162.25,64.75 v1(163.75,64.75)
B12_IO12P: J6.9 J8.9 | length 2.9
  L1 (Sig) w0.157: J8.9@162.35,66.75 v1(163.75,66.75)
  L6 (Sig) w0.157: J6.9@162.25,66.75 v1(163.75,66.75)
B12_IO13P: J2.33 J4.33 | length 2.9
  L1 (Sig) w0.157: J4.33@162.35,98.1 v1(163.75,98.1)
  L6 (Sig) w0.157: J2.33@162.25,98.1 v1(163.75,98.1)
B12_IO14N: J2.37 J4.37 | length 2.9
  L1 (Sig) w0.157: J4.37@162.35,96.1 v1(163.75,96.1)
  L6 (Sig) w0.157: J2.37@162.25,96.1 v1(163.75,96.1)
B12_IO14P: J2.31 J4.31 | length 2.9
  L1 (Sig) w0.157: J4.31@162.35,99.1 v1(163.75,99.1)
  L6 (Sig) w0.157: J2.31@162.25,99.1 v1(163.75,99.1)
B12_IO15N: J2.62 J4.62 | length 2.9
  L1 (Sig) w0.157: v1(157.05,84.1) J4.62@158.45,84.1
  L6 (Sig) w0.157: v1(157.05,84.1) J2.62@158.55,84.1
B12_IO15P: J2.60 J4.60 | length 2.9
  L1 (Sig) w0.157: v1(157.05,85.1) J4.60@158.45,85.1
  L6 (Sig) w0.157: v1(157.05,85.1) J2.60@158.55,85.1
B12_IO16N: IC8.13 J6.8 J8.8 | length 9.8
  L1 (Sig) w0.157: IC8.13@152.197,68.927 154.198,68.927 155.375,67.75 J8.8@158.45,67.75 v1(160.05,67.75)
  L6 (Sig) w0.157: J6.8@158.55,67.75 v1(160.05,67.75)
B12_IO16P: J6.4 J8.4 | length 2.9
  L1 (Sig) w0.157: v1(157.05,69.75) J8.4@158.45,69.75
  L6 (Sig) w0.157: v1(157.05,69.75) J6.4@158.55,69.75
B12_IO17N: IC8.14 J6.6 J8.6 | length 9.7
  L1 (Sig) w0.157: IC8.14@152.197,69.577 154.573,69.577 155.4,68.75 J8.6@158.45,68.75 v1(160.05,68.75)
  L6 (Sig) w0.157: J6.6@158.55,68.75 v1(160.05,68.75)
B12_IO17P: J6.2 J8.2 | length 2.9
  L1 (Sig) w0.157: v1(157.05,70.75) J8.2@158.45,70.75
  L6 (Sig) w0.157: v1(157.05,70.75) J6.2@158.55,70.75
B12_IO18N: J6.3 J8.3 | length 2.9
  L1 (Sig) w0.157: J8.3@162.35,69.75 v1(163.75,69.75)
  L6 (Sig) w0.157: J6.3@162.25,69.75 v1(163.75,69.75)
B12_IO18P: J6.5 J8.5 | length 2.9
  L1 (Sig) w0.157: J8.5@162.35,68.75 v1(163.75,68.75)
  L6 (Sig) w0.157: J6.5@162.25,68.75 v1(163.75,68.75)
B12_IO19N: J2.23 J4.23 | length 2.9
  L1 (Sig) w0.157: J4.23@162.35,103.1 v1(163.75,103.1)
  L6 (Sig) w0.157: J2.23@162.25,103.1 v1(163.75,103.1)
B12_IO20N: J2.29 J4.29 | length 2.9
  L1 (Sig) w0.157: J4.29@162.35,100.1 v1(163.75,100.1)
  L6 (Sig) w0.157: J2.29@162.25,100.1 v1(163.75,100.1)
B12_IO20P: J2.27 J4.27 | length 2.9
  L1 (Sig) w0.157: J4.27@162.35,101.1 v1(163.75,101.1)
  L6 (Sig) w0.157: J2.27@162.25,101.1 v1(163.75,101.1)
B12_IO21N: J2.58 J4.58 | length 2.9
  L1 (Sig) w0.157: v1(157.05,86.1) J4.58@158.45,86.1
  L6 (Sig) w0.157: v1(157.05,86.1) J2.58@158.55,86.1
B12_IO21P: J2.54 J4.54 | length 2.9
  L1 (Sig) w0.157: v1(157.05,88.1) J4.54@158.45,88.1
  L6 (Sig) w0.157: v1(157.05,88.1) J2.54@158.55,88.1
B12_IO22N: J2.39 J4.39 | length 2.9
  L1 (Sig) w0.157: J4.39@162.35,95.1 v1(163.75,95.1)
  L6 (Sig) w0.157: J2.39@162.25,95.1 v1(163.75,95.1)
B12_LED: J2.61 J4.61 | length 2.9
  L1 (Sig) w0.157: J4.61@162.35,84.1 v1(163.75,84.1)
  L6 (Sig) w0.157: J2.61@162.25,84.1 v1(163.75,84.1)
B13_IO3N: J2.12 J4.12 | length 2.9
  L1 (Sig) w0.157: v1(157.05,109.1) J4.12@158.45,109.1
  L6 (Sig) w0.157: v1(157.05,109.1) J2.12@158.55,109.1
B13_IO3P: J2.14 J4.14 | length 2.9
  L1 (Sig) w0.157: v1(157.05,108.1) J4.14@158.45,108.1
  L6 (Sig) w0.157: v1(157.05,108.1) J2.14@158.55,108.1
B13_IO4N: J2.8 J4.8 | length 2.9
  L1 (Sig) w0.157: v1(157.05,111.1) J4.8@158.45,111.1
  L6 (Sig) w0.157: v1(157.05,111.1) J2.8@158.55,111.1
B13_IO4P: J2.10 J4.10 | length 2.9
  L1 (Sig) w0.157: v1(157.05,110.1) J4.10@158.45,110.1
  L6 (Sig) w0.157: v1(157.05,110.1) J2.10@158.55,110.1
B13_IO5N: J2.18 J4.18 | length 2.9
  L1 (Sig) w0.157: v1(157.05,106.1) J4.18@158.45,106.1
  L6 (Sig) w0.157: v1(157.05,106.1) J2.18@158.55,106.1
B13_IO5P: J2.20 J4.20 | length 2.9
  L1 (Sig) w0.157: v1(157.05,105.1) J4.20@158.45,105.1
  L6 (Sig) w0.157: v1(157.05,105.1) J2.20@158.55,105.1
B13_IO7N: J2.30 J4.30 | length 2.9
  L1 (Sig) w0.157: v1(157.05,100.1) J4.30@158.45,100.1
  L6 (Sig) w0.157: v1(157.05,100.1) J2.30@158.55,100.1
B13_IO7P: J2.28 J4.28 | length 2.9
  L1 (Sig) w0.157: v1(157.05,101.1) J4.28@158.45,101.1
  L6 (Sig) w0.157: v1(157.05,101.1) J2.28@158.55,101.1
B13_IO8N: J2.24 J4.24 | length 2.9
  L1 (Sig) w0.157: v1(157.05,103.1) J4.24@158.45,103.1
  L6 (Sig) w0.157: v1(157.05,103.1) J2.24@158.55,103.1
B13_IO8P: J2.22 J4.22 | length 2.9
  L1 (Sig) w0.157: v1(157.05,104.1) J4.22@158.45,104.1
  L6 (Sig) w0.157: v1(157.05,104.1) J2.22@158.55,104.1
B13_IO11N: J2.9 J4.9 | length 2.9
  L1 (Sig) w0.157: J4.9@162.35,110.1 v1(163.75,110.1)
  L6 (Sig) w0.157: J2.9@162.25,110.1 v1(163.75,110.1)
B13_IO11P: J2.7 J4.7 | length 2.9
  L1 (Sig) w0.157: J4.7@162.35,111.1 v1(163.75,111.1)
  L6 (Sig) w0.157: J2.7@162.25,111.1 v1(163.75,111.1)
B13_IO13N: J2.11 J4.11 | length 2.9
  L1 (Sig) w0.157: J4.11@162.35,109.1 v1(163.75,109.1)
  L6 (Sig) w0.157: J2.11@162.25,109.1 v1(163.75,109.1)
B13_IO13P: J2.13 J4.13 | length 2.9
  L1 (Sig) w0.157: J4.13@162.35,108.1 v1(163.75,108.1)
  L6 (Sig) w0.157: J2.13@162.25,108.1 v1(163.75,108.1)
B13_IO15N: IC7.14 J2.38 J4.38 | length 9.6
  L1 (Sig) w0.157: IC7.14@152.722,98.025 155.175,98.025 157.1,96.1 J4.38@158.45,96.1 v1(160.05,96.1)
  L6 (Sig) w0.157: J2.38@158.55,96.1 v1(160.05,96.1)
B13_IO15P: IC7.12 J2.42 J4.42 | length 9.9
  L1 (Sig) w0.157: IC7.12@152.722,96.725 154.45,96.725 157.075,94.1 J4.42@158.45,94.1 v1(160.05,94.1)
  L6 (Sig) w0.157: J2.42@158.55,94.1 v1(160.05,94.1)
B13_IO16N: J2.32 J4.32 | length 2.9
  L1 (Sig) w0.157: v1(157.05,99.1) J4.32@158.45,99.1
  L6 (Sig) w0.157: v1(157.05,99.1) J2.32@158.55,99.1
B13_IO16P: J2.34 J4.34 | length 2.9
  L1 (Sig) w0.157: v1(157.05,98.1) J4.34@158.45,98.1
  L6 (Sig) w0.157: v1(157.05,98.1) J2.34@158.55,98.1
B13_IO17N: IC7.13 J2.40 J4.40 | length 9.8
  L1 (Sig) w0.157: IC7.13@152.722,97.375 154.825,97.375 157.1,95.1 J4.40@158.45,95.1 v1(160.05,95.1)
  L6 (Sig) w0.157: J2.40@158.55,95.1 v1(160.05,95.1)
B13_IO17P: J2.52 J4.52 | length 2.9
  L1 (Sig) w0.157: v1(157.05,89.1) J4.52@158.45,89.1
  L6 (Sig) w0.157: v1(157.05,89.1) J2.52@158.55,89.1
B13_IO18N: IC7.10 J2.48 J4.48 | length 11.3
  L1 (Sig) w0.157: IC7.10@152.722,95.425 153.75,95.425 155.075,94.1 155.075,92.975 156.95,91.1 J4.48@158.45,91.1 v1(160.05,91.1)
  L6 (Sig) w0.157: J2.48@158.55,91.1 v1(160.05,91.1)
B13_IO18P: IC7.11 J2.44 J4.44 | length 10.1
  L1 (Sig) w0.157: IC7.11@152.722,96.075 154.1,96.075 157.075,93.1 J4.44@158.45,93.1 v1(160.05,93.1)
  L6 (Sig) w0.157: J2.44@158.55,93.1 v1(160.05,93.1)
B13_IO21N: J2.19 J4.19 | length 2.9
  L1 (Sig) w0.157: J4.19@162.35,105.1 v1(163.75,105.1)
  L6 (Sig) w0.157: J2.19@162.25,105.1 v1(163.75,105.1)
B13_IO21P: J2.50 J4.50 | length 2.9
  L1 (Sig) w0.157: v1(157.05,90.1) J4.50@158.45,90.1
  L6 (Sig) w0.157: v1(157.05,90.1) J2.50@158.55,90.1
B13_IO22N: J2.17 J4.17 | length 2.9
  L1 (Sig) w0.157: J4.17@162.35,106.1 v1(163.75,106.1)
  L6 (Sig) w0.157: J2.17@162.25,106.1 v1(163.75,106.1)
B13_IO24N: J2.21 J4.21 | length 2.9
  L1 (Sig) w0.157: J4.21@162.35,104.1 v1(163.75,104.1)
  L6 (Sig) w0.157: J2.21@162.25,104.1 v1(163.75,104.1)
B33_IO_L3_N: IC5.37 J5.63 J7.63 | length 53.7
  L1 (Sig) w0.09: J7.63@100.95,39.75 101.687,39.75 101.942,40.005 101.942,40.092 101.995,40.145 102.18,40.145 v1(102.4,39.925) ; IC5.37@135.225,60.825 135.225,61.1 135.08,61.245 135.08,61.88 135.275,62.075 135.761,62.075 135.981,61.855 v1(136.05,61.855)
  L3 (Sig) w0.09: v1(102.4,39.925) 102.405,39.925 102.62,40.14 102.765,40.14 103.3,40.14 103.353,40.087 103.353,40.068 103.402,40.019 103.794,40.019 103.843,40.068 103.843,40.091 103.892,40.14 104.284,40.14 104.333,40.091 104.333,40.068 104.382,40.019 104.774,40.019 104.823,40.068 104.823,40.087 104.875,40.14 105.651,40.14 106.54,40.14 119.987,53.588 120.129,53.729 120.129,53.986 120.003,54.112 120.003,54.181 120.281,54.459 120.35,54.459 120.986,53.822 121.237,53.822 121.644,54.229 121.644,54.48 121.007,55.116 121.007,55.185 121.285,55.463 121.354,55.463 121.48,55.337 121.737,55.337 122.3,55.9 123.625,57.225 129.6,57.225 129.895,57.52 129.895,60.384 130.116,60.605 133.98,60.605 134.4,61.025 134.4,61.864 134.606,62.07 135.83,62.07 136.045,61.855 v1(136.05,61.855)
  L6 (Sig) w0.09: J5.63@100.85,39.75 101.687,39.75 101.942,40.005 101.942,40.092 101.995,40.145 102.18,40.145 v1(102.4,39.925)
B33_IO_L3_P: IC5.38 J5.61 J7.61 | length 53.8
  L1 (Sig) w0.09: J7.61@100.95,40.75 101.687,40.75 101.942,40.495 101.942,40.408 101.995,40.355 102.18,40.355 v1(102.4,40.575) ; IC5.38@134.725,60.825 134.725,61.1 134.87,61.245 134.87,61.967 135.188,62.285 135.761,62.285 135.981,62.505 v1(136.05,62.505)
  L3 (Sig) w0.09: v1(102.4,40.575) 102.405,40.575 102.62,40.36 106.449,40.36 119.832,53.743 119.909,53.82 119.909,53.895 119.783,54.021 119.783,54.272 120.189,54.679 120.441,54.679 121.077,54.042 121.146,54.042 121.424,54.32 121.424,54.389 120.787,55.025 120.787,55.277 121.194,55.683 121.445,55.683 121.571,55.557 121.646,55.557 122.144,56.056 123.534,57.445 129.509,57.445 129.675,57.611 129.675,60.475 130.025,60.825 133.889,60.825 134.18,61.116 134.18,61.955 134.515,62.29 135.83,62.29 136.045,62.505 v1(136.05,62.505)
  L6 (Sig) w0.09: J5.61@100.85,40.75 101.687,40.75 101.942,40.495 101.942,40.408 101.995,40.355 102.18,40.355 v1(102.4,40.575)